# Altium PCB 宠物机器人&导购机器人.PcbDoc (part 9 of 14) (continued)
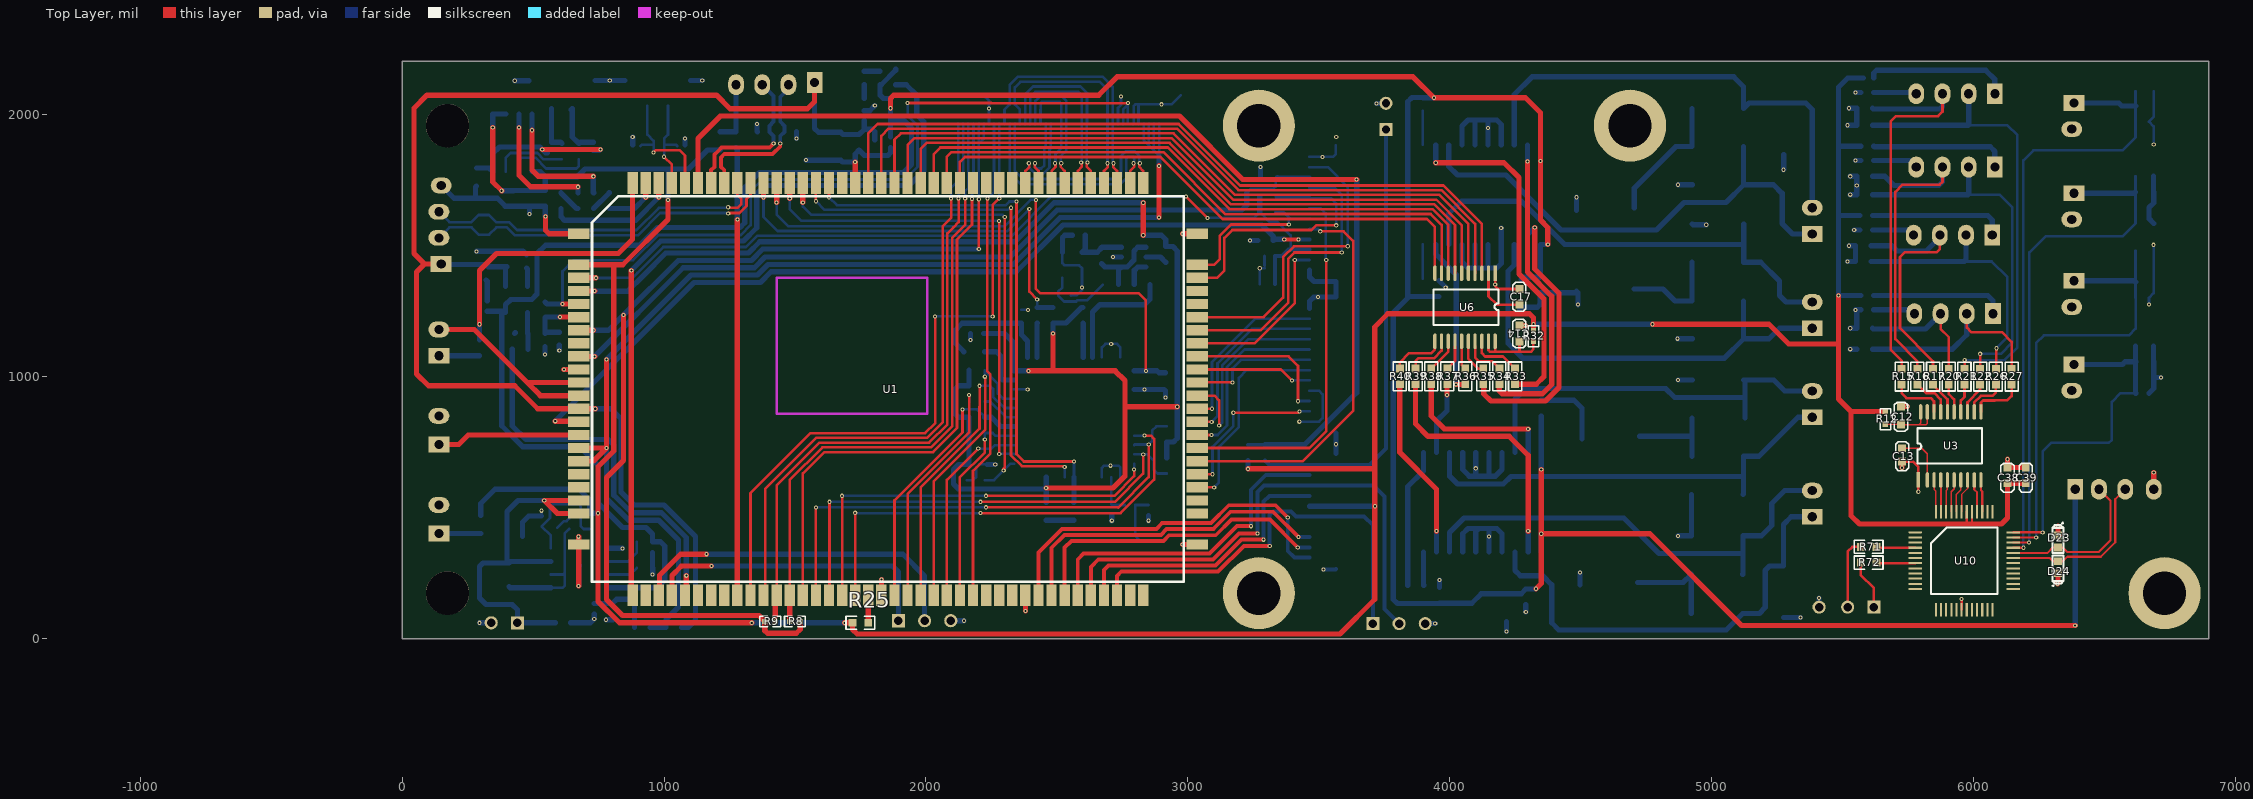
[diagram p0: Top Layer view]
## Free pads (board coordinates) (continued)
1(-1216.83,-383.3) 1(-1216.83,-383.3) 1(-1216.83,-383.3) 1(-1216.81,-383.26) 1(-1216.81,-383.26) 1(-1216.81,-383.26) 1(-1216.81,-383.26) 1(-1216.81,-383.26) 1(-1216.81,-383.26) 1(-1216.81,-383.14) 1(-1216.81,-383.14) 1(-1216.81,-383.14) 1(-1216.81,-384.87) 1(-1216.81,-384.87) 1(-1216.81,-384.87) 1(-1216.81,-384.87) 1(-1216.81,-384.87) 1(-1216.81,-384.87) 1(-1216.81,-384.66) 1(-1216.81,-384.66) 1(-1216.81,-384.66) 1(-1216.81,-385.04) 1(-1216.81,-385.04) 1(-1216.81,-385.04) 1(-1216.81,-384.95) 1(-1216.81,-384.95) 1(-1216.81,-384.95) 1(-1216.81,-384.95) 1(-1216.81,-384.95) 1(-1216.81,-384.95) 1(-1216.8,-384.85) 1(-1216.8,-384.85) 1(-1216.8,-384.85) 1(-1216.8,-384.85) 1(-1216.8,-384.85) 1(-1216.8,-384.85) 1(-1216.8,-384.95) 1(-1216.8,-384.95) 1(-1216.8,-384.95) 1(-1216.8,-384.95) 1(-1216.8,-384.95) 1(-1216.8,-384.95) 1(-1216.79,-383.28) 1(-1216.79,-383.28) 1(-1216.79,-383.28) 1(-1216.79,-383.28) 1(-1216.79,-383.28) 1(-1216.79,-383.28) 1(-1216.79,-384.83) 1(-1216.79,-384.83) 1(-1216.79,-384.83) 1(-1216.79,-384.83) 1(-1216.79,-384.83) 1(-1216.79,-384.83) 1(-1216.78,-384.81) 1(-1216.78,-384.81) 1(-1216.78,-384.81) 1(-1216.78,-384.81) 1(-1216.78,-384.81) 1(-1216.78,-384.81) 1(-1216.78,-383.1) 1(-1216.78,-383.1) 1(-1216.78,-383.1) 1(-1216.78,-383.1) 1(-1216.78,-383.1) 1(-1216.78,-383.1) 1(-1216.77,-383.14) 1(-1216.77,-383.14) 1(-1216.77,-383.14) 1(-1216.77,-383.11) 1(-1216.77,-383.11) 1(-1216.77,-383.11) 1(-1216.77,-383.11) 1(-1216.77,-383.11) 1(-1216.77,-383.11) 1(-1216.76,-384.63) 1(-1216.76,-384.63) 1(-1216.76,-384.63) 1(-1216.76,-384.63) 1(-1216.76,-384.63) 1(-1216.76,-384.63) 1(-1216.76,-384.63) 1(-1216.76,-384.63) 1(-1216.76,-384.63) 1(-1216.73,-385.04) 1(-1216.73,-385.04) 1(-1216.73,-385.04) 1(-1216.73,-384.98) 1(-1216.73,-384.98) 1(-1216.73,-384.98) 1(-1216.73,-384.98) 1(-1216.73,-384.98) 1(-1216.73,-384.98) 1(-1216.71,-384.97) 1(-1216.71,-384.97) 1(-1216.71,-384.97) 1(-1216.71,-384.97) 1(-1216.71,-384.97) 1(-1216.71,-384.97) 1(-1216.71,-384.6) 1(-1216.71,-384.6) 1(-1216.71,-384.6) 1(-1216.71,-384.6) 1(-1216.71,-384.6) 1(-1216.71,-384.6) 1(-1216.71,-384.6) 1(-1216.71,-384.6) 1(-1216.71,-384.6) 1(-1216.69,-385.04) 1(-1216.69,-385.04) 1(-1216.69,-385.04) 1(-1216.69,-385) 1(-1216.69,-385) 1(-1216.69,-385) 1(-1216.69,-385) 1(-1216.69,-385) 1(-1216.69,-385) 1(-1216.67,-384.98) 1(-1216.67,-384.98) 1(-1216.67,-384.98) 1(-1216.67,-384.98) 1(-1216.67,-384.98) 1(-1216.67,-384.98) 1(-1216.67,-384.48) 1(-1216.67,-384.48) 1(-1216.67,-384.48) 1(-1216.66,-384.48) 1(-1216.66,-384.48) 1(-1216.66,-384.48) 1(-1216.66,-384.48) 1(-1216.66,-384.48) 1(-1216.66,-384.48) 1(-1216.66,-383.46) 1(-1216.66,-383.46) 1(-1216.66,-383.46) 1(-1216.65,-384.31) 1(-1216.65,-384.31) 1(-1216.65,-384.31) 1(-1216.65,-384.31) 1(-1216.65,-384.31) 1(-1216.65,-384.31) 1(-1216.65,-383.85) 1(-1216.65,-383.85) 1(-1216.65,-383.85) 1(-1216.65,-383.85) 1(-1216.65,-383.85) 1(-1216.65,-383.85) 1(-1216.65,-385.04) 1(-1216.65,-385.04) 1(-1216.65,-385.04) 1(-1216.65,-385.01) 1(-1216.65,-385.01) 1(-1216.65,-385.01) 1(-1216.65,-385.01) 1(-1216.65,-385.01) 1(-1216.65,-385.01) 1(-1216.64,-383.41) 1(-1216.64,-383.41) 1(-1216.64,-383.41) 1(-1216.64,-383.41) 1(-1216.64,-383.41) 1(-1216.64,-383.41) 1(-1216.64,-385) 1(-1216.64,-385) 1(-1216.64,-385) 1(-1216.64,-385) 1(-1216.64,-385) 1(-1216.64,-385) 1(-1216.64,-383.39) 1(-1216.64,-383.39) 1(-1216.64,-383.39) 1(-1216.64,-383.39) 1(-1216.64,-383.39) 1(-1216.64,-383.39) 1(-1216.64,-383.43) 1(-1216.64,-383.43) 1(-1216.64,-383.43) 1(-1216.64,-383.43) 1(-1216.64,-383.43) 1(-1216.64,-383.43) 1(-1216.64,-383.36) 1(-1216.64,-383.36) 1(-1216.64,-383.36) 1(-1216.64,-383.36) 1(-1216.64,-383.36) 1(-1216.64,-383.36) 1(-1216.64,-384.32) 1(-1216.64,-384.32) 1(-1216.64,-384.32) 1(-1216.64,-384.32) 1(-1216.64,-384.32) 1(-1216.64,-384.32) 1(-1216.64,-383.87) 1(-1216.64,-383.87) 1(-1216.64,-383.87) 1(-1216.64,-383.87) 1(-1216.64,-383.87) 1(-1216.64,-383.87) 1(-1216.63,-383.35) 1(-1216.63,-383.35) 1(-1216.63,-383.35) 1(-1216.63,-383.35) 1(-1216.63,-383.35) 1(-1216.63,-383.35) 1(-1216.63,-385.12) 1(-1216.63,-385.12) 1(-1216.63,-385.12) 1(-1216.63,-385.12) 1(-1216.63,-385.12) 1(-1216.63,-385.12) 1(-1216.63,-383.48) 1(-1216.63,-383.48) 1(-1216.63,-383.48) 1(-1216.63,-384.34) 1(-1216.63,-384.34) 1(-1216.63,-384.34) 1(-1216.63,-384.34) 1(-1216.63,-384.34) 1(-1216.63,-384.34) 1(-1216.63,-384.34) 1(-1216.63,-384.34) 1(-1216.63,-384.34) 1(-1216.63,-384.34) 1(-1216.63,-384.34) 1(-1216.63,-384.34) 1(-1216.63,-383.33) 1(-1216.63,-383.33) 1(-1216.63,-383.33) 1(-1216.63,-383.33) 1(-1216.63,-383.33) 1(-1216.63,-383.33) 1(-1216.63,-383.57) 1(-1216.63,-383.57) 1(-1216.63,-383.57) 1(-1216.63,-383.57) 1(-1216.63,-383.57) 1(-1216.63,-383.57) 1(-1216.62,-384.36) 1(-1216.62,-384.36) 1(-1216.62,-384.36) 1(-1216.62,-384.36) 1(-1216.62,-384.36) 1(-1216.62,-384.36) 1(-1216.62,-384.36) 1(-1216.62,-384.36) 1(-1216.62,-384.36) 1(-1216.62,-384.36) 1(-1216.62,-384.36) 1(-1216.62,-384.36) 1(-1216.62,-383.31) 1(-1216.62,-383.31) 1(-1216.62,-383.31) 1(-1216.62,-383.31) 1(-1216.62,-383.31) 1(-1216.62,-383.31) 1(-1216.62,-384.33) 1(-1216.62,-384.33) 1(-1216.62,-384.33) 1(-1216.62,-384.33) 1(-1216.62,-384.33) 1(-1216.62,-384.33) 1(-1216.62,-383.9) 1(-1216.62,-383.9) 1(-1216.62,-383.9) 1(-1216.62,-383.9) 1(-1216.62,-383.9) 1(-1216.62,-383.9) 1(-1216.62,-383.3) 1(-1216.62,-383.3) 1(-1216.62,-383.3) 1(-1216.62,-383.3) 1(-1216.62,-383.3) 1(-1216.62,-383.3) 1(-1216.61,-383.55) 1(-1216.61,-383.55) 1(-1216.61,-383.55) 1(-1216.61,-383.55) 1(-1216.61,-383.55) 1(-1216.61,-383.55) 1(-1216.61,-384.79) 1(-1216.61,-384.79) 1(-1216.61,-384.79) 1(-1216.61,-385.1) 1(-1216.61,-385.1) 1(-1216.61,-385.1) 1(-1216.61,-385.1) 1(-1216.61,-385.1) 1(-1216.61,-385.1) 1(-1216.61,-385.04) 1(-1216.61,-385.04) 1(-1216.61,-385.04) 1(-1216.61,-383.28) 1(-1216.61,-383.28) 1(-1216.61,-383.28) 1(-1216.61,-383.28) 1(-1216.61,-383.28) 1(-1216.61,-383.28) 1(-1216.61,-383.53) 1(-1216.61,-383.53) 1(-1216.61,-383.53) 1(-1216.61,-383.53) 1(-1216.61,-383.53) 1(-1216.61,-383.53) 1(-1216.6,-383.88) 1(-1216.6,-383.88) 1(-1216.6,-383.88) 1(-1216.6,-385) 1(-1216.6,-385) 1(-1216.6,-385) 1(-1216.6,-385) 1(-1216.6,-385) 1(-1216.6,-385) 1(-1216.6,-383.52) 1(-1216.6,-383.52) 1(-1216.6,-383.52) 1(-1216.6,-383.52) 1(-1216.6,-383.52) 1(-1216.6,-383.52) 1(-1216.6,-384.34) 1(-1216.6,-384.34) 1(-1216.6,-384.34) 1(-1216.6,-384.34) 1(-1216.6,-384.34) 1(-1216.6,-384.34) 1(-1216.6,-383.94) 1(-1216.6,-383.94) 1(-1216.6,-383.94) 1(-1216.6,-383.94) 1(-1216.6,-383.94) 1(-1216.6,-383.94) 1(-1216.6,-383.63) 1(-1216.6,-383.63) 1(-1216.6,-383.63) 1(-1216.6,-383.63) 1(-1216.6,-383.63) 1(-1216.6,-383.63) 1(-1216.59,-384.98) 1(-1216.59,-384.98) 1(-1216.59,-384.98) 1(-1216.59,-384.98) 1(-1216.59,-384.98) 1(-1216.59,-384.98) 1(-1216.59,-383.5) 1(-1216.59,-383.5) 1(-1216.59,-383.5) 1(-1216.59,-383.5) 1(-1216.59,-383.5) 1(-1216.59,-383.5) 1(-1216.59,-384.92) 1(-1216.59,-384.92) 1(-1216.59,-384.92) 1(-1216.59,-384.92) 1(-1216.59,-384.92) 1(-1216.59,-384.92) 1(-1216.59,-383.92) 1(-1216.59,-383.92) 1(-1216.59,-383.92) 1(-1216.59,-384.97) 1(-1216.59,-384.97) 1(-1216.59,-384.97) 1(-1216.59,-384.97) 1(-1216.59,-384.97) 1(-1216.59,-384.97) 1(-1216.59,-384.95) 1(-1216.59,-384.95) 1(-1216.59,-384.95) 1(-1216.59,-384.95) 1(-1216.59,-384.95) 1(-1216.59,-384.95) 1(-1216.59,-383.67) 1(-1216.59,-383.67) 1(-1216.59,-383.67) 1(-1216.59,-383.67) 1(-1216.59,-383.67) 1(-1216.59,-383.67) 1(-1216.59,-384.9) 1(-1216.59,-384.9) 1(-1216.59,-384.9) 1(-1216.59,-384.9) 1(-1216.59,-384.9) 1(-1216.59,-384.9) 1(-1216.58,-383.81) 1(-1216.58,-383.81) 1(-1216.58,-383.81) 1(-1216.58,-384.13) 1(-1216.58,-384.13) 1(-1216.58,-384.13) 1(-1216.58,-384.13) 1(-1216.58,-384.13) 1(-1216.58,-384.13) 1(-1216.58,-383.95) 1(-1216.58,-383.95) 1(-1216.58,-383.95) 1(-1216.58,-383.95) 1(-1216.58,-383.95) 1(-1216.58,-383.95) 1(-1216.58,-384.89) 1(-1216.58,-384.89) 1(-1216.58,-384.89) 1(-1216.58,-384.89) 1(-1216.58,-384.89) 1(-1216.58,-384.89) 1(-1216.57,-384.87) 1(-1216.57,-384.87) 1(-1216.57,-384.87) 1(-1216.57,-384.87) 1(-1216.57,-384.87) 1(-1216.57,-384.87) 1(-1216.56,-384.85) 1(-1216.56,-384.85) 1(-1216.56,-384.85) 1(-1216.56,-384.85) 1(-1216.56,-384.85) 1(-1216.56,-384.85) 1(-1216.56,-383.76) 1(-1216.56,-383.76) 1(-1216.56,-383.76) 1(-1216.56,-384.15) 1(-1216.56,-384.15) 1(-1216.56,-384.15) 1(-1216.56,-384.15) 1(-1216.56,-384.15) 1(-1216.56,-384.15) 1(-1216.56,-384.07) 1(-1216.56,-384.07) 1(-1216.56,-384.07) 1(-1216.56,-383.86) 1(-1216.56,-383.86) 1(-1216.56,-383.86) 1(-1216.56,-384.07) 1(-1216.56,-384.07) 1(-1216.56,-384.07) 1(-1216.56,-384.07) 1(-1216.56,-384.07) 1(-1216.56,-384.07) 1(-1216.56,-383.86) 1(-1216.56,-383.86) 1(-1216.56,-383.86) 1(-1216.56,-383.86) 1(-1216.56,-383.86) 1(-1216.56,-383.86) 1(-1216.56,-384.83) 1(-1216.56,-384.83) 1(-1216.56,-384.83) 1(-1216.56,-384.83) 1(-1216.56,-384.83) 1(-1216.56,-384.83) 1(-1216.55,-383.78) 1(-1216.55,-383.78) 1(-1216.55,-383.78) 1(-1216.55,-383.92) 1(-1216.55,-383.92) 1(-1216.55,-383.92) 1(-1216.55,-383.92) 1(-1216.55,-383.92) 1(-1216.55,-383.92) 1(-1216.54,-383.77) 1(-1216.54,-383.77) 1(-1216.54,-383.77) 1(-1216.54,-383.77) 1(-1216.54,-383.77) 1(-1216.54,-383.77) 1(-1216.54,-383.71) 1(-1216.54,-383.71) 1(-1216.54,-383.71) 1(-1216.54,-383.71) 1(-1216.54,-383.71) 1(-1216.54,-383.71) 1(-1216.54,-383.69) 1(-1216.54,-383.69) 1(-1216.54,-383.69) 1(-1216.54,-383.69) 1(-1216.54,-383.69) 1(-1216.54,-383.69) 1(-1216.54,-384.81) 1(-1216.54,-384.81) 1(-1216.54,-384.81) 1(-1216.54,-384.81) 1(-1216.54,-384.81) 1(-1216.54,-384.81) 1(-1216.54,-383.01) 1(-1216.54,-383.01) 1(-1216.54,-383.01) 1(-1216.53,-384.19) 1(-1216.53,-384.19) 1(-1216.53,-384.19) 1(-1216.53,-384.19) 1(-1216.53,-384.19) 1(-1216.53,-384.19) 1(-1216.53,-384.15) 1(-1216.53,-384.15) 1(-1216.53,-384.15) 1(-1216.53,-384.15) 1(-1216.53,-384.15) 1(-1216.53,-384.15) 1(-1216.53,-384.09) 1(-1216.53,-384.09) 1(-1216.53,-384.09) 1(-1216.53,-384.04) 1(-1216.53,-384.04) 1(-1216.53,-384.04) 1(-1216.53,-383.98) 1(-1216.53,-383.98) 1(-1216.53,-383.98) 1(-1216.53,-383.92) 1(-1216.53,-383.92) 1(-1216.53,-383.92) 1(-1216.52,-383.92) 1(-1216.52,-383.92) 1(-1216.52,-383.92) 1(-1216.52,-383.92) 1(-1216.52,-383.92) 1(-1216.52,-383.92) 1(-1216.52,-383.86) 1(-1216.52,-383.86) 1(-1216.52,-383.86) 1(-1216.52,-384.79) 1(-1216.52,-384.79) 1(-1216.52,-384.79) 1(-1216.52,-384.79) 1(-1216.52,-384.79) 1(-1216.52,-384.79) 1(-1216.52,-383.8) 1(-1216.52,-383.8) 1(-1216.52,-383.8) 1(-1216.52,-383.74) 1(-1216.52,-383.74) 1(-1216.52,-383.74) 1(-1216.52,-383.92) 1(-1216.52,-383.92) 1(-1216.52,-383.92) 1(-1216.52,-383.92) 1(-1216.52,-383.92) 1(-1216.52,-383.92) 1(-1216.52,-383.92) 1(-1216.52,-383.92) 1(-1216.52,-383.92) 1(-1216.52,-383.92) 1(-1216.52,-383.92) 1(-1216.52,-383.92) 1(-1216.52,-383.67) 1(-1216.52,-383.67) 1(-1216.52,-383.67) 1(-1216.52,-383.77) 1(-1216.52,-383.77) 1(-1216.52,-383.77) 1(-1216.52,-383.93) 1(-1216.52,-383.93) 1(-1216.52,-383.93) 1(-1216.52,-384.12) 1(-1216.52,-384.12) 1(-1216.52,-384.12) 1(-1216.52,-384.1) 1(-1216.52,-384.1) 1(-1216.52,-384.1) 1(-1216.52,-384.1) 1(-1216.52,-384.1) 1(-1216.52,-384.1) 1(-1216.52,-384.1) 1(-1216.52,-384.1) 1(-1216.52,-384.1) 1(-1216.52,-383.74) 1(-1216.52,-383.74) 1(-1216.52,-383.74) 1(-1216.52,-383.74) 1(-1216.52,-383.74) 1(-1216.52,-383.74) 1(-1216.51,-384.91) 1(-1216.51,-384.91) 1(-1216.51,-384.91) 1(-1216.51,-384.91) 1(-1216.51,-384.91) 1(-1216.51,-384.91) 1(-1216.51,-384.91) 1(-1216.51,-384.91) 1(-1216.51,-384.91) 1(-1216.51,-384.91) 1(-1216.51,-384.91) 1(-1216.51,-384.91) 1(-1216.51,-383.36) 1(-1216.51,-383.36) 1(-1216.51,-383.36) 1(-1216.51,-383.36) 1(-1216.51,-383.36) 1(-1216.51,-383.36) 1(-1216.51,-383.14) 1(-1216.51,-383.14) 1(-1216.51,-383.14) 1(-1216.5,-383.66) 1(-1216.5,-383.66) 1(-1216.5,-383.66) 1(-1216.5,-383.66) 1(-1216.5,-383.66) 1(-1216.5,-383.66) 1(-1216.5,-383.66) 1(-1216.5,-383.66) 1(-1216.5,-383.66) 1(-1216.5,-383.66) 1(-1216.5,-383.66) 1(-1216.5,-383.66) 1(-1216.5,-384.04) 1(-1216.5,-384.04) 1(-1216.5,-384.04) 1(-1216.5,-384.04) 1(-1216.5,-384.04) 1(-1216.5,-384.04) 1(-1216.5,-383.69) 1(-1216.5,-383.69) 1(-1216.5,-383.69) 1(-1216.5,-384.04) 1(-1216.5,-384.04) 1(-1216.5,-384.04) 1(-1216.49,-384.86) 1(-1216.49,-384.86) 1(-1216.49,-384.86) 1(-1216.49,-384.86) 1(-1216.49,-384.86) 1(-1216.49,-384.86) 1(-1216.49,-384.25) 1(-1216.49,-384.25) 1(-1216.49,-384.25) 1(-1216.49,-384.23) 1(-1216.49,-384.23) 1(-1216.49,-384.23) 1(-1216.49,-384.23) 1(-1216.49,-384.23) 1(-1216.49,-384.23) 1(-1216.49,-383.67) 1(-1216.49,-383.67) 1(-1216.49,-383.67) 1(-1216.49,-383.67) 1(-1216.49,-383.67) 1(-1216.49,-383.67) 1(-1216.49,-383.08) 1(-1216.49,-383.08) 1(-1216.49,-383.08) 1(-1216.49,-383.08) 1(-1216.49,-383.08) 1(-1216.49,-383.08) 1(-1216.49,-383.67) 1(-1216.49,-383.67) 1(-1216.49,-383.67) 1(-1216.49,-383.67) 1(-1216.49,-383.67) 1(-1216.49,-383.67) 1(-1216.49,-384.9) 1(-1216.49,-384.9) 1(-1216.49,-384.9) 1(-1216.49,-384.9) 1(-1216.49,-384.9) 1(-1216.49,-384.9) 1(-1216.49,-384.9) 1(-1216.49,-384.9) 1(-1216.49,-384.9) 1(-1216.49,-384.9) 1(-1216.49,-384.9) 1(-1216.49,-384.9) 1(-1216.48,-384.24) 1(-1216.48,-384.24) 1(-1216.48,-384.24) 1(-1216.48,-384.24) 1(-1216.48,-384.24) 1(-1216.48,-384.24) 1(-1216.48,-383.92) 1(-1216.48,-383.92) 1(-1216.48,-383.92) 1(-1216.48,-383.92) 1(-1216.48,-383.92) 1(-1216.48,-383.92) 1(-1216.48,-384.84) 1(-1216.48,-384.84) 1(-1216.48,-384.84) 1(-1216.48,-384.84) 1(-1216.48,-384.84) 1(-1216.48,-384.84) 1(-1216.48,-383.69) 1(-1216.48,-383.69) 1(-1216.48,-383.69) 1(-1216.48,-383.69) 1(-1216.48,-383.69) 1(-1216.48,-383.69) 1(-1216.48,-383.69) 1(-1216.48,-383.69) 1(-1216.48,-383.69) 1(-1216.48,-383.69) 1(-1216.48,-383.69) 1(-1216.48,-383.69) 1(-1216.47,-383.93) 1(-1216.47,-383.93) 1(-1216.47,-383.93) 1(-1216.47,-383.69) 1(-1216.47,-383.69) 1(-1216.47,-383.69) 1(-1216.47,-383.69) 1(-1216.47,-383.69) 1(-1216.47,-383.69) 1(-1216.47,-383.82) 1(-1216.47,-383.82) 1(-1216.47,-383.82) 1(-1216.47,-383.82) 1(-1216.47,-383.82) 1(-1216.47,-383.82) 1(-1216.47,-383.81) 1(-1216.47,-383.81) 1(-1216.47,-383.81) 1(-1216.47,-383.77) 1(-1216.47,-383.77) 1(-1216.47,-383.77) 1(-1216.47,-383.67) 1(-1216.47,-383.67) 1(-1216.47,-383.67) 1(-1216.47,-383.67) 1(-1216.47,-383.67) 1(-1216.47,-383.67) 1(-1216.47,-384.07) 1(-1216.47,-384.07) 1(-1216.47,-384.07) 1(-1216.47,-384.07) 1(-1216.47,-384.07) 1(-1216.47,-384.07) 1(-1216.47,-383.14) 1(-1216.47,-383.14) 1(-1216.47,-383.14) 1(-1216.47,-383.11) 1(-1216.47,-383.11) 1(-1216.47,-383.11) 1(-1216.47,-383.11) 1(-1216.47,-383.11) 1(-1216.47,-383.11) 1(-1216.46,-383.66) 1(-1216.46,-383.66) 1(-1216.46,-383.66) 1(-1216.46,-383.66) 1(-1216.46,-383.66) 1(-1216.46,-383.66) 1(-1216.46,-384.44) 1(-1216.46,-384.44) 1(-1216.46,-384.44) 1(-1216.46,-383.71) 1(-1216.46,-383.71) 1(-1216.46,-383.71) 1(-1216.46,-383.98) 1(-1216.46,-383.98) 1(-1216.46,-383.98) 1(-1216.46,-383.98) 1(-1216.46,-383.98) 1(-1216.46,-383.98) 1(-1216.46,-384.93) 1(-1216.46,-384.93) 1(-1216.46,-384.93) 1(-1216.46,-384.93) 1(-1216.46,-384.93) 1(-1216.46,-384.93) 1(-1216.46,-383.84) 1(-1216.46,-383.84) 1(-1216.46,-383.84) 1(-1216.46,-383.84) 1(-1216.46,-383.84) 1(-1216.46,-383.84) 1(-1216.46,-383.64) 1(-1216.46,-383.64) 1(-1216.46,-383.64) 1(-1216.46,-383.64) 1(-1216.46,-383.64) 1(-1216.46,-383.64) 1(-1216.45,-383.62) 1(-1216.45,-383.62) 1(-1216.45,-383.62) 1(-1216.45,-383.62) 1(-1216.45,-383.62) 1(-1216.45,-383.62) 1(-1216.45,-383.97) 1(-1216.45,-383.97) 1(-1216.45,-383.97) 1(-1216.45,-383.97) 1(-1216.45,-383.97) 1(-1216.45,-383.97) 1(-1216.45,-383.93) 1(-1216.45,-383.93) 1(-1216.45,-383.93) 1(-1216.45,-383.93) 1(-1216.45,-383.93) 1(-1216.45,-383.93) 1(-1216.45,-383.88) 1(-1216.45,-383.88) 1(-1216.45,-383.88) 1(-1216.45,-383.88) 1(-1216.45,-383.88) 1(-1216.45,-383.88) 1(-1216.45,-383.6) 1(-1216.45,-383.6) 1(-1216.45,-383.6) 1(-1216.45,-383.6) 1(-1216.45,-383.6) 1(-1216.45,-383.6) 1(-1216.45,-384.09) 1(-1216.45,-384.09) 1(-1216.45,-384.09) 1(-1216.45,-384.09) 1(-1216.45,-384.09) 1(-1216.45,-384.09) 1(-1216.44,-384.63) 1(-1216.44,-384.63) 1(-1216.44,-384.63) 1(-1216.44,-384.63) 1(-1216.44,-384.63) 1(-1216.44,-384.63) 1(-1216.44,-383.58) 1(-1216.44,-383.58) 1(-1216.44,-383.58) 1(-1216.44,-383.58) 1(-1216.44,-383.58) 1(-1216.44,-383.58) 1(-1216.44,-384.42) 1(-1216.44,-384.42) 1(-1216.44,-384.42) 1(-1216.44,-384.42) 1(-1216.44,-384.42) 1(-1216.44,-384.42) 1(-1216.44,-384.36) 1(-1216.44,-384.36) 1(-1216.44,-384.36) 1(-1216.44,-383.74) 1(-1216.44,-383.74) 1(-1216.44,-383.74) 1(-1216.44,-383.74) 1(-1216.44,-383.74) 1(-1216.44,-383.74) 1(-1216.44,-383.41) 1(-1216.44,-383.41) 1(-1216.44,-383.41) 1(-1216.44,-383.41) 1(-1216.44,-383.41) 1(-1216.44,-383.41) 1(-1216.44,-383.35) 1(-1216.44,-383.35) 1(-1216.44,-383.35) 1(-1216.44,-383.35) 1(-1216.44,-383.35) 1(-1216.44,-383.35) 1(-1216.44,-384.63) 1(-1216.44,-384.63) 1(-1216.44,-384.63) 1(-1216.43,-383.57) 1(-1216.43,-383.57) 1(-1216.43,-383.57) 1(-1216.43,-383.57) 1(-1216.43,-383.57) 1(-1216.43,-383.57) 1(-1216.43,-383.01) 1(-1216.43,-383.01) 1(-1216.43,-383.01) 1(-1216.43,-383.01) 1(-1216.43,-383.01) 1(-1216.43,-383.01) 1(-1216.43,-383.55) 1(-1216.43,-383.55) 1(-1216.43,-383.55) 1(-1216.43,-383.55) 1(-1216.43,-383.55) 1(-1216.43,-383.55) 1(-1216.43,-383.34) 1(-1216.43,-383.34) 1(-1216.43,-383.34) 1(-1216.43,-383.34) 1(-1216.43,-383.34) 1(-1216.43,-383.34) 1(-1216.43,-383.28) 1(-1216.43,-383.28) 1(-1216.43,-383.28) 1(-1216.43,-383.28) 1(-1216.43,-383.28) 1(-1216.43,-383.28) 1(-1216.43,-383.28) 1(-1216.43,-383.28) 1(-1216.43,-383.28) 1(-1216.43,-383.28) 1(-1216.43,-383.28) 1(-1216.43,-383.28) 1(-1216.43,-383.14) 1(-1216.43,-383.14) 1(-1216.43,-383.14) 1(-1216.42,-383.84) 1(-1216.42,-383.84) 1(-1216.42,-383.84) 1(-1216.42,-383.84) 1(-1216.42,-383.84) 1(-1216.42,-383.84) 1(-1216.42,-383.81) 1(-1216.42,-383.81) 1(-1216.42,-383.81) 1(-1216.42,-383.77) 1(-1216.42,-383.77) 1(-1216.42,-383.77) 1(-1216.42,-383.77) 1(-1216.42,-383.77) 1(-1216.42,-383.77) 1(-1216.42,-384.19) 1(-1216.42,-384.19) 1(-1216.42,-384.19) 1(-1216.42,-384.14) 1(-1216.42,-384.14) 1(-1216.42,-384.14) 1(-1216.42,-384.14) 1(-1216.42,-384.14) 1(-1216.42,-384.14) 1(-1216.42,-384.14) 1(-1216.42,-384.14) 1(-1216.42,-384.14) 1(-1216.42,-384.06) 1(-1216.42,-384.06) 1(-1216.42,-384.06) 1(-1216.42,-383.93) 1(-1216.42,-383.93) 1(-1216.42,-383.93) 1(-1216.42,-383.93) 1(-1216.42,-383.93) 1(-1216.42,-383.93) 1(-1216.42,-383.81) 1(-1216.42,-383.81) 1(-1216.42,-383.81) 1(-1216.42,-383.54) 1(-1216.42,-383.54) 1(-1216.42,-383.54) 1(-1216.42,-383.54) 1(-1216.42,-383.54) 1(-1216.42,-383.54) 1(-1216.42,-383.4) 1(-1216.42,-383.4) 1(-1216.42,-383.4) 1(-1216.42,-383.4) 1(-1216.42,-383.4) 1(-1216.42,-383.4) 1(-1216.42,-383.36) 1(-1216.42,-383.36) 1(-1216.42,-383.36) 1(-1216.42,-383.36) 1(-1216.42,-383.36) 1(-1216.42,-383.36) 1(-1216.41,-383.52) 1(-1216.41,-383.52) 1(-1216.41,-383.52) 1(-1216.41,-383.52) 1(-1216.41,-383.52) 1(-1216.41,-383.52) 1(-1216.41,-383.64) 1(-1216.41,-383.64) 1(-1216.41,-383.64) 1(-1216.41,-383.71) 1(-1216.41,-383.71) 1(-1216.41,-383.71) 1(-1216.41,-383.71) 1(-1216.41,-383.71) 1(-1216.41,-383.71) 1(-1216.41,-383.5) 1(-1216.41,-383.5) 1(-1216.41,-383.5) 1(-1216.41,-383.5) 1(-1216.41,-383.5) 1(-1216.41,-383.5) 1(-1216.41,-384.6) 1(-1216.41,-384.6) 1(-1216.41,-384.6) 1(-1216.41,-384.6) 1(-1216.41,-384.6) 1(-1216.41,-384.6) 1(-1216.41,-384.77) 1(-1216.41,-384.77) 1(-1216.41,-384.77) 1(-1216.41,-384.48) 1(-1216.41,-384.48) 1(-1216.41,-384.48) 1(-1216.41,-384.48) 1(-1216.41,-384.48) 1(-1216.41,-384.48) 1(-1216.4,-384.66) 1(-1216.4,-384.66) 1(-1216.4,-384.66) 1(-1216.4,-384.66) 1(-1216.4,-384.66) 1(-1216.4,-384.66) 1(-1216.4,-383.49) 1(-1216.4,-383.49) 1(-1216.4,-383.49) 1(-1216.4,-383.49) 1(-1216.4,-383.49) 1(-1216.4,-383.49) 1(-1216.4,-385.2) 1(-1216.4,-385.2) 1(-1216.4,-385.2) 1(-1216.4,-385.2) 1(-1216.4,-385.2) 1(-1216.4,-385.2) 1(-1216.4,-383.74) 1(-1216.4,-383.74) 1(-1216.4,-383.74) 1(-1216.4,-383.74) 1(-1216.4,-383.74) 1(-1216.4,-383.74) 1(-1216.4,-383.93) 1(-1216.4,-383.93) 1(-1216.4,-383.93) 1(-1216.4,-383.86) 1(-1216.4,-383.86) 1(-1216.4,-383.86) 1(-1216.4,-383.86) 1(-1216.4,-383.86) 1(-1216.4,-383.86) 1(-1216.4,-383.81) 1(-1216.4,-383.81) 1(-1216.4,-383.81) 1(-1216.4,-383.81) 1(-1216.4,-383.81) 1(-1216.4,-383.81) 1(-1216.39,-383.47) 1(-1216.39,-383.47) 1(-1216.39,-383.47) 1(-1216.39,-383.47) 1(-1216.39,-383.47) 1(-1216.39,-383.47) 1(-1216.39,-385.18) 1(-1216.39,-385.18) 1(-1216.39,-385.18) 1(-1216.39,-385.18) 1(-1216.39,-385.18) 1(-1216.39,-385.18) 1(-1216.39,-383.46) 1(-1216.39,-383.46) 1(-1216.39,-383.46) 1(-1216.39,-383.46) 1(-1216.39,-383.46) 1(-1216.39,-383.46) 1(-1216.39,-383.8) 1(-1216.39,-383.8) 1(-1216.39,-383.8) 1(-1216.39,-383.33) 1(-1216.39,-383.33) 1(-1216.39,-383.33) 1(-1216.39,-383.33) 1(-1216.39,-383.33) 1(-1216.39,-383.33) 1(-1216.39,-383.14) 1(-1216.39,-383.14) 1(-1216.39,-383.14) 1(-1216.39,-385.17) 1(-1216.39,-385.17) 1(-1216.39,-385.17) 1(-1216.39,-385.17) 1(-1216.39,-385.17) 1(-1216.39,-385.17) 1(-1216.39,-384.93) 1(-1216.39,-384.93) 1(-1216.39,-384.93) 1(-1216.39,-384.93) 1(-1216.39,-384.93) 1(-1216.39,-384.93) 1(-1216.39,-384.84) 1(-1216.39,-384.84) 1(-1216.39,-384.84) 1(-1216.39,-384.84) 1(-1216.39,-384.84) 1(-1216.39,-384.84) 1(-1216.39,-383.33) 1(-1216.39,-383.33) 1(-1216.39,-383.33) 1(-1216.39,-383.33) 1(-1216.39,-383.33) 1(-1216.39,-383.33) 1(-1216.38,-383.44) 1(-1216.38,-383.44) 1(-1216.38,-383.44) 1(-1216.38,-383.44) 1(-1216.38,-383.44) 1(-1216.38,-383.44) 1(-1216.38,-384.74) 1(-1216.38,-384.74) 1(-1216.38,-384.74) 1(-1216.38,-384.74) 1(-1216.38,-384.74) 1(-1216.38,-384.74) 1(-1216.38,-384.45) 1(-1216.38,-384.45) 1(-1216.38,-384.45) 1(-1216.38,-384.45) 1(-1216.38,-384.45) 1(-1216.38,-384.45) 1(-1216.38,-384.44) 1(-1216.38,-384.44) 1(-1216.38,-384.44) 1(-1216.38,-385.15) 1(-1216.38,-385.15) 1(-1216.38,-385.15) 1(-1216.38,-385.15) 1(-1216.38,-385.15) 1(-1216.38,-385.15) 1(-1216.38,-384.51) 1(-1216.38,-384.51) 1(-1216.38,-384.51) 1(-1216.38,-384.51) 1(-1216.38,-384.51) 1(-1216.38,-384.51) 1(-1216.38,-383.66) 1(-1216.38,-383.66) 1(-1216.38,-383.66) 1(-1216.38,-383.66) 1(-1216.38,-383.66) 1(-1216.38,-383.66) 1(-1216.38,-384.92) 1(-1216.38,-384.92) 1(-1216.38,-384.92) 1(-1216.38,-384.92) 1(-1216.38,-384.92) 1(-1216.38,-384.92) 1(-1216.38,-384.9) 1(-1216.38,-384.9) 1(-1216.38,-384.9) 1(-1216.38,-384.9) 1(-1216.38,-384.9) 1(-1216.38,-384.9) 1(-1216.38,-384.74) 1(-1216.38,-384.74) 1(-1216.38,-384.74) 1(-1216.38,-384.74) 1(-1216.38,-384.74) 1(-1216.38,-384.74) 1(-1216.38,-384.69) 1(-1216.38,-384.69) 1(-1216.38,-384.69) 1(-1216.38,-384.69) 1(-1216.38,-384.69) 1(-1216.38,-384.69) 1(-1216.38,-384.63) 1(-1216.38,-384.63) 1(-1216.38,-384.63) 1(-1216.38,-384.57) 1(-1216.38,-384.57) 1(-1216.38,-384.57) 1(-1216.38,-384.57) 1(-1216.38,-384.57) 1(-1216.38,-384.57) 1(-1216.38,-384.51) 1(-1216.38,-384.51) 1(-1216.38,-384.51) 1(-1216.38,-384.51) 1(-1216.38,-384.51) 1(-1216.38,-384.51) 1(-1216.38,-384.69) 1(-1216.38,-384.69) 1(-1216.38,-384.69) 1(-1216.38,-384.69) 1(-1216.38,-384.69) 1(-1216.38,-384.69) 1(-1216.37,-385.14) 1(-1216.37,-385.14) 1(-1216.37,-385.14) 1(-1216.37,-385.14) 1(-1216.37,-385.14) 1(-1216.37,-385.14) 1(-1216.37,-384.82) 1(-1216.37,-384.82) 1(-1216.37,-384.82) 1(-1216.37,-384.82) 1(-1216.37,-384.82) 1(-1216.37,-384.82) 1(-1216.37,-384.8) 1(-1216.37,-384.8) 1(-1216.37,-384.8) 1(-1216.37,-384.8) 1(-1216.37,-384.8) 1(-1216.37,-384.8) 1(-1216.37,-384.09) 1(-1216.37,-384.09) 1(-1216.37,-384.09) 1(-1216.37,-384.09) 1(-1216.37,-384.09) 1(-1216.37,-384.09) 1(-1216.37,-383.93) 1(-1216.37,-383.93) 1(-1216.37,-383.93) 1(-1216.37,-383.87) 1(-1216.37,-383.87) 1(-1216.37,-383.87) 1(-1216.37,-383.87) 1(-1216.37,-383.87) 1(-1216.37,-383.87) 1(-1216.37,-383.8) 1(-1216.37,-383.8) 1(-1216.37,-383.8) 1(-1216.37,-383.74) 1(-1216.37,-383.74) 1(-1216.37,-383.74) 1(-1216.37,-383.74) 1(-1216.37,-383.74) 1(-1216.37,-383.74) 1(-1216.37,-385.07) 1(-1216.37,-385.07) 1(-1216.37,-385.07) 1(-1216.37,-385.07) 1(-1216.37,-385.07) 1(-1216.37,-385.07) 1(-1216.37,-383.27) 1(-1216.37,-383.27) 1(-1216.37,-383.27) 1(-1216.37,-383.27) 1(-1216.37,-383.27) 1(-1216.37,-383.27) 1(-1216.37,-383.08) 1(-1216.37,-383.08) 1(-1216.37,-383.08) 1(-1216.37,-383.08) 1(-1216.37,-383.08) 1(-1216.37,-383.08) 1(-1216.37,-385.12) 1(-1216.37,-385.12) 1(-1216.37,-385.12) 1(-1216.37,-385.12) 1(-1216.37,-385.12) 1(-1216.37,-385.12) 1(-1216.37,-383.67) 1(-1216.37,-383.67) 1(-1216.37,-383.67) 1(-1216.37,-383.67) 1(-1216.37,-383.67) 1(-1216.37,-383.67) 1(-1216.36,-385.1) 1(-1216.36,-385.1) 1(-1216.36,-385.1) 1(-1216.36,-385.1) 1(-1216.36,-385.1) 1(-1216.36,-385.1) 1(-1216.36,-384.57) 1(-1216.36,-384.57) 1(-1216.36,-384.57) 1(-1216.36,-384.57) 1(-1216.36,-384.57) 1(-1216.36,-384.57) 1(-1216.36,-384.86) 1(-1216.36,-384.86) 1(-1216.36,-384.86) 1(-1216.36,-384.86) 1(-1216.36,-384.86) 1(-1216.36,-384.86) 1(-1216.36,-383.35) 1(-1216.36,-383.35) 1(-1216.36,-383.35) 1(-1216.36,-383.35) 1(-1216.36,-383.35) 1(-1216.36,-383.35) 1(-1216.36,-383.28) 1(-1216.36,-383.28) 1(-1216.36,-383.28) 1(-1216.36,-383.28) 1(-1216.36,-383.28) 1(-1216.36,-383.28) 1(-1216.36,-385.05) 1(-1216.36,-385.05) 1(-1216.36,-385.05) 1(-1216.36,-385.05) 1(-1216.36,-385.05) 1(-1216.36,-385.05) 1(-1216.36,-383.64) 1(-1216.36,-383.64) 1(-1216.36,-383.64) 1(-1216.36,-384.51) 1(-1216.36,-384.51) 1(-1216.36,-384.51) 1(-1216.36,-384.51) 1(-1216.36,-384.51) 1(-1216.36,-384.51) 1(-1216.35,-384.63) 1(-1216.35,-384.63) 1(-1216.35,-384.63) 1(-1216.35,-384.63) 1(-1216.35,-384.63) 1(-1216.35,-384.63) 1(-1216.35,-383.36) 1(-1216.35,-383.36) 1(-1216.35,-383.36) 1(-1216.35,-383.36) 1(-1216.35,-383.36) 1(-1216.35,-383.36) 1(-1216.35,-383.14) 1(-1216.35,-383.14) 1(-1216.35,-383.14) 1(-1216.35,-383.08) 1(-1216.35,-383.08) 1(-1216.35,-383.08) 1(-1216.35,-383.08) 1(-1216.35,-383.08) 1(-1216.35,-383.08) 1(-1216.35,-384.06) 1(-1216.35,-384.06) 1(-1216.35,-384.06) 1(-1216.35,-384.06) 1(-1216.35,-384.06) 1(-1216.35,-384.06) 1(-1216.35,-383.93) 1(-1216.35,-383.93) 1(-1216.35,-383.93) 1(-1216.35,-383.93) 1(-1216.35,-383.93) 1(-1216.35,-383.93) 1(-1216.35,-383.88) 1(-1216.35,-383.88) 1(-1216.35,-383.88) 1(-1216.35,-383.88) 1(-1216.35,-383.88) 1(-1216.35,-383.88) 1(-1216.35,-384.1) 1(-1216.35,-384.1) 1(-1216.35,-384.1) 1(-1216.35,-384.1) 1(-1216.35,-384.1) 1(-1216.35,-384.1) 1(-1216.34,-384.74) 1(-1216.34,-384.74) 1(-1216.34,-384.74) 1(-1216.34,-384.74) 1(-1216.34,-384.74) 1(-1216.34,-384.74) 1(-1216.34,-384.84) 1(-1216.34,-384.84) 1(-1216.34,-384.84) 1(-1216.34,-384.84) 1(-1216.34,-384.84) 1(-1216.34,-384.84) 1(-1216.34,-384.8) 1(-1216.34,-384.8) 1(-1216.34,-384.8) 1(-1216.34,-384.8) 1(-1216.34,-384.8) 1(-1216.34,-384.8) 1(-1216.34,-383.69) 1(-1216.34,-383.69) 1(-1216.34,-383.69) 1(-1216.34,-383.69) 1(-1216.34,-383.69) 1(-1216.34,-383.69) 1(-1216.34,-384.56) 1(-1216.34,-384.56) 1(-1216.34,-384.56) 1(-1216.34,-384.56) 1(-1216.34,-384.56) 1(-1216.34,-384.56) 1(-1216.34,-384.53) 1(-1216.34,-384.53) 1(-1216.34,-384.53) 1(-1216.34,-384.53) 1(-1216.34,-384.53) 1(-1216.34,-384.53) 1(-1216.33,-384.79) 1(-1216.33,-384.79) 1(-1216.33,-384.79) 1(-1216.33,-384.79) 1(-1216.33,-384.79) 1(-1216.33,-384.79) 1(-1216.33,-383.83) 1(-1216.33,-383.83) 1(-1216.33,-383.83) 1(-1216.33,-383.83) 1(-1216.33,-383.83) 1(-1216.33,-383.83) 1(-1216.33,-384.65) 1(-1216.33,-384.65) 1(-1216.33,-384.65) 1(-1216.33,-384.65) 1(-1216.33,-384.65) 1(-1216.33,-384.65) 1(-1216.33,-383.64) 1(-1216.33,-383.64) 1(-1216.33,-383.64) 1(-1216.33,-383.64) 1(-1216.33,-383.64) 1(-1216.33,-383.64) 1(-1216.33,-383.39) 1(-1216.33,-383.39) 1(-1216.33,-383.39) 1(-1216.33,-383.33) 1(-1216.33,-383.33) 1(-1216.33,-383.33) 1(-1216.33,-383.29) 1(-1216.33,-383.29) 1(-1216.33,-383.29) 1(-1216.33,-383.29) 1(-1216.33,-383.29) 1(-1216.33,-383.29) 1(-1216.33,-384.76) 1(-1216.33,-384.76) 1(-1216.33,-384.76) 1(-1216.33,-384.76) 1(-1216.33,-384.76) 1(-1216.33,-384.76) 1(-1216.33,-384.08) 1(-1216.33,-384.08) 1(-1216.33,-384.08) 1(-1216.33,-384.08) 1(-1216.33,-384.08) 1(-1216.33,-384.08) 1(-1216.33,-384.06) 1(-1216.33,-384.06) 1(-1216.33,-384.06) 1(-1216.32,-384.58) 1(-1216.32,-384.58) 1(-1216.32,-384.58) 1(-1216.32,-384.58) 1(-1216.32,-384.58) 1(-1216.32,-384.58) 1(-1216.32,-384.72) 1(-1216.32,-384.72) 1(-1216.32,-384.72) 1(-1216.32,-384.72) 1(-1216.32,-384.72) 1(-1216.32,-384.72) 1(-1216.32,-383.93)